# KiCad board OpenWaterHub.kicad_pcb
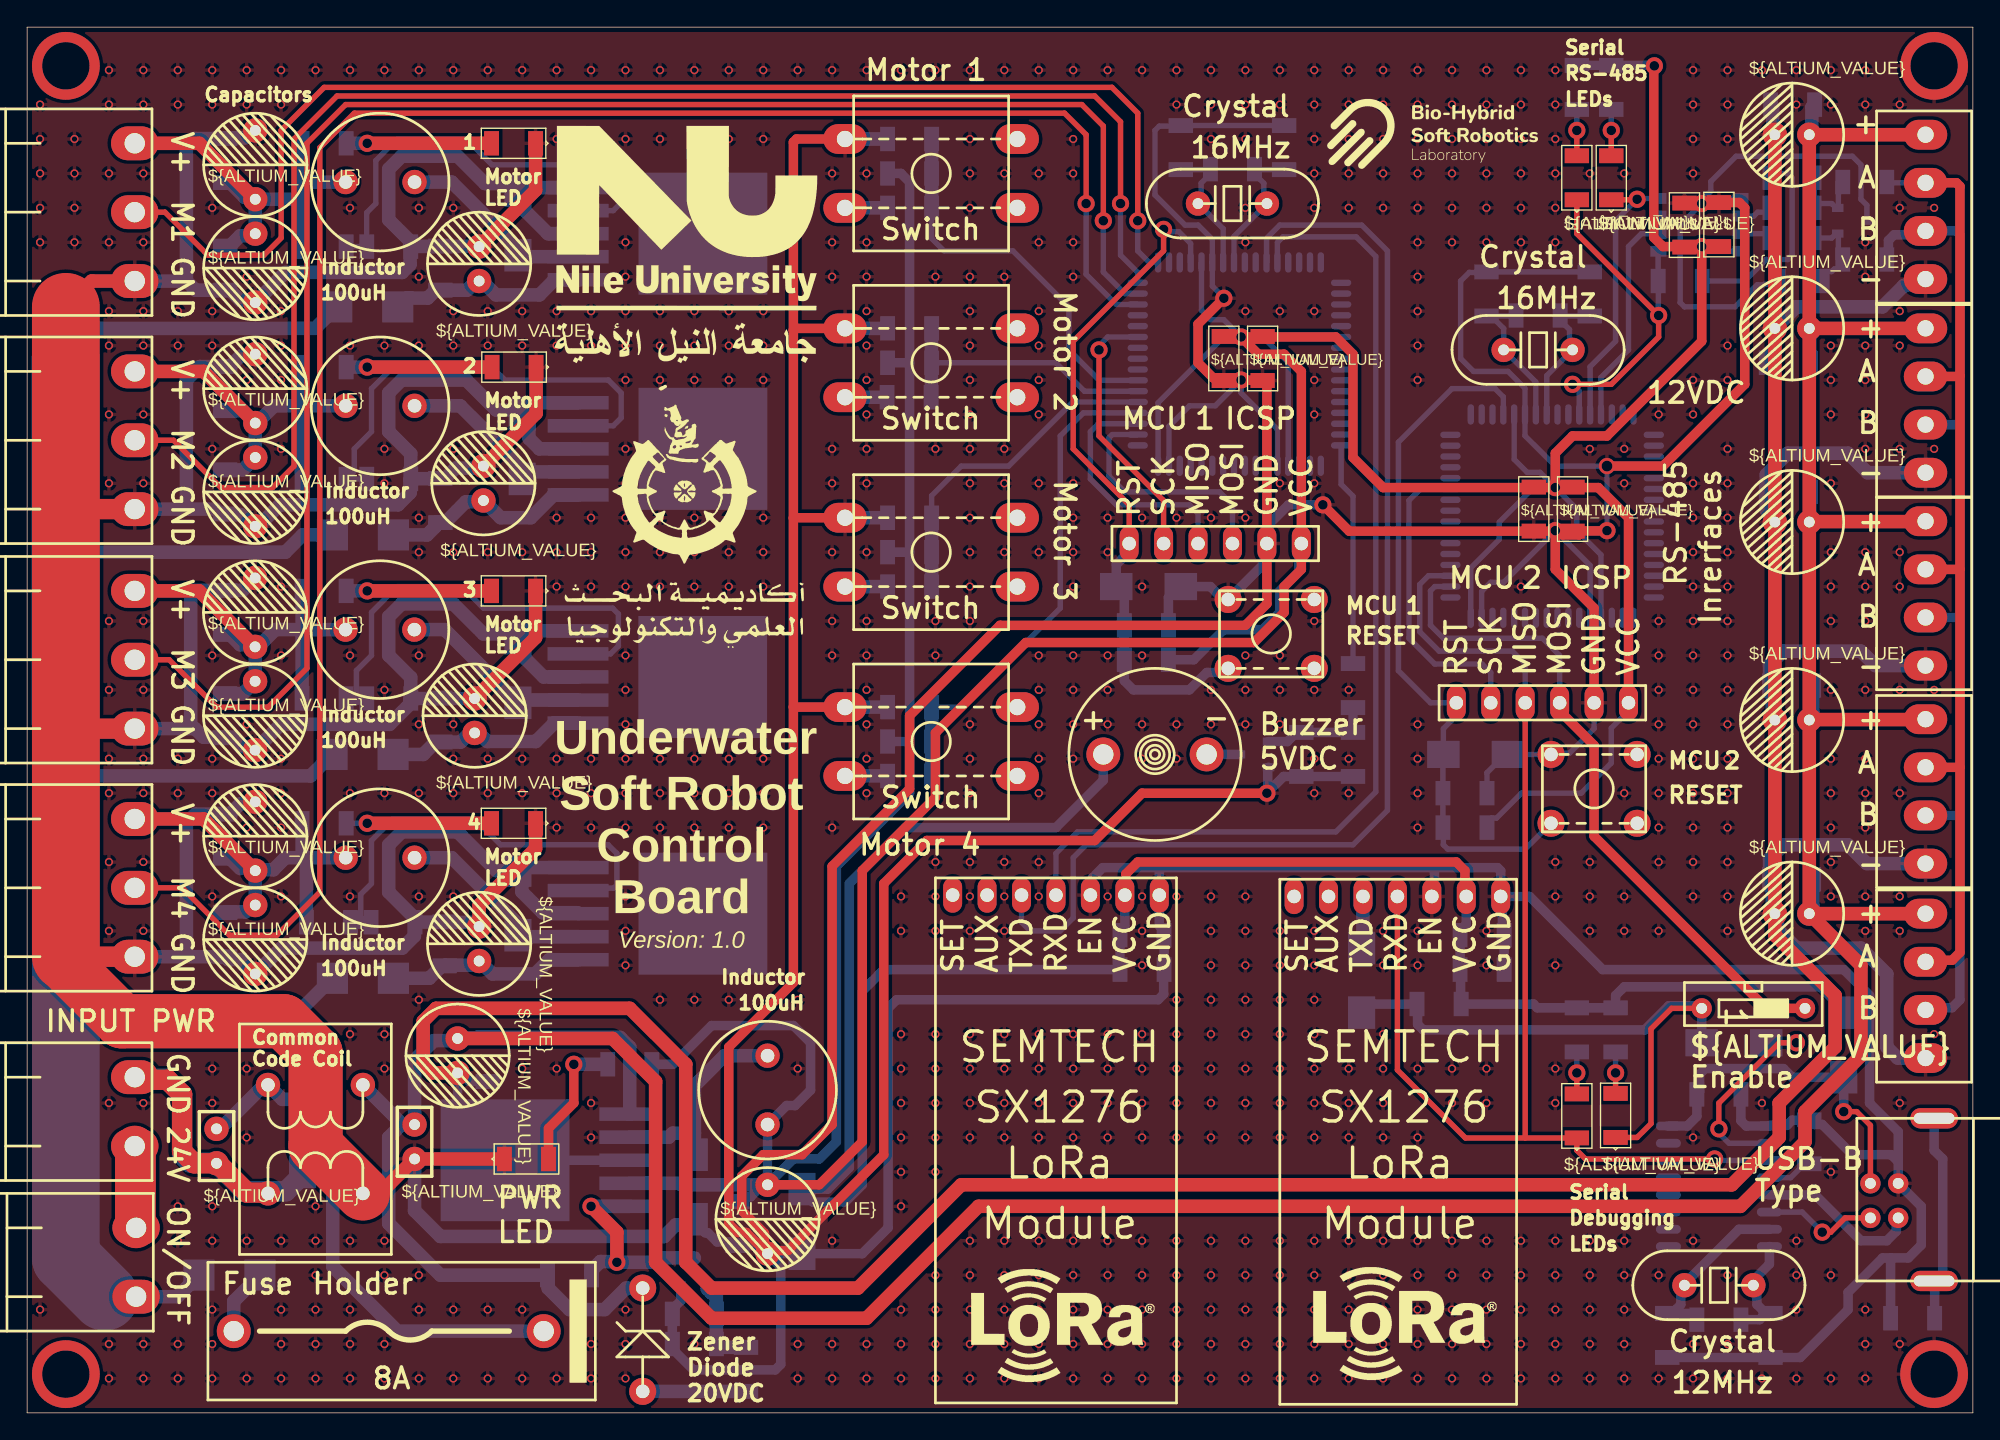
[diagram p0: board, top side]
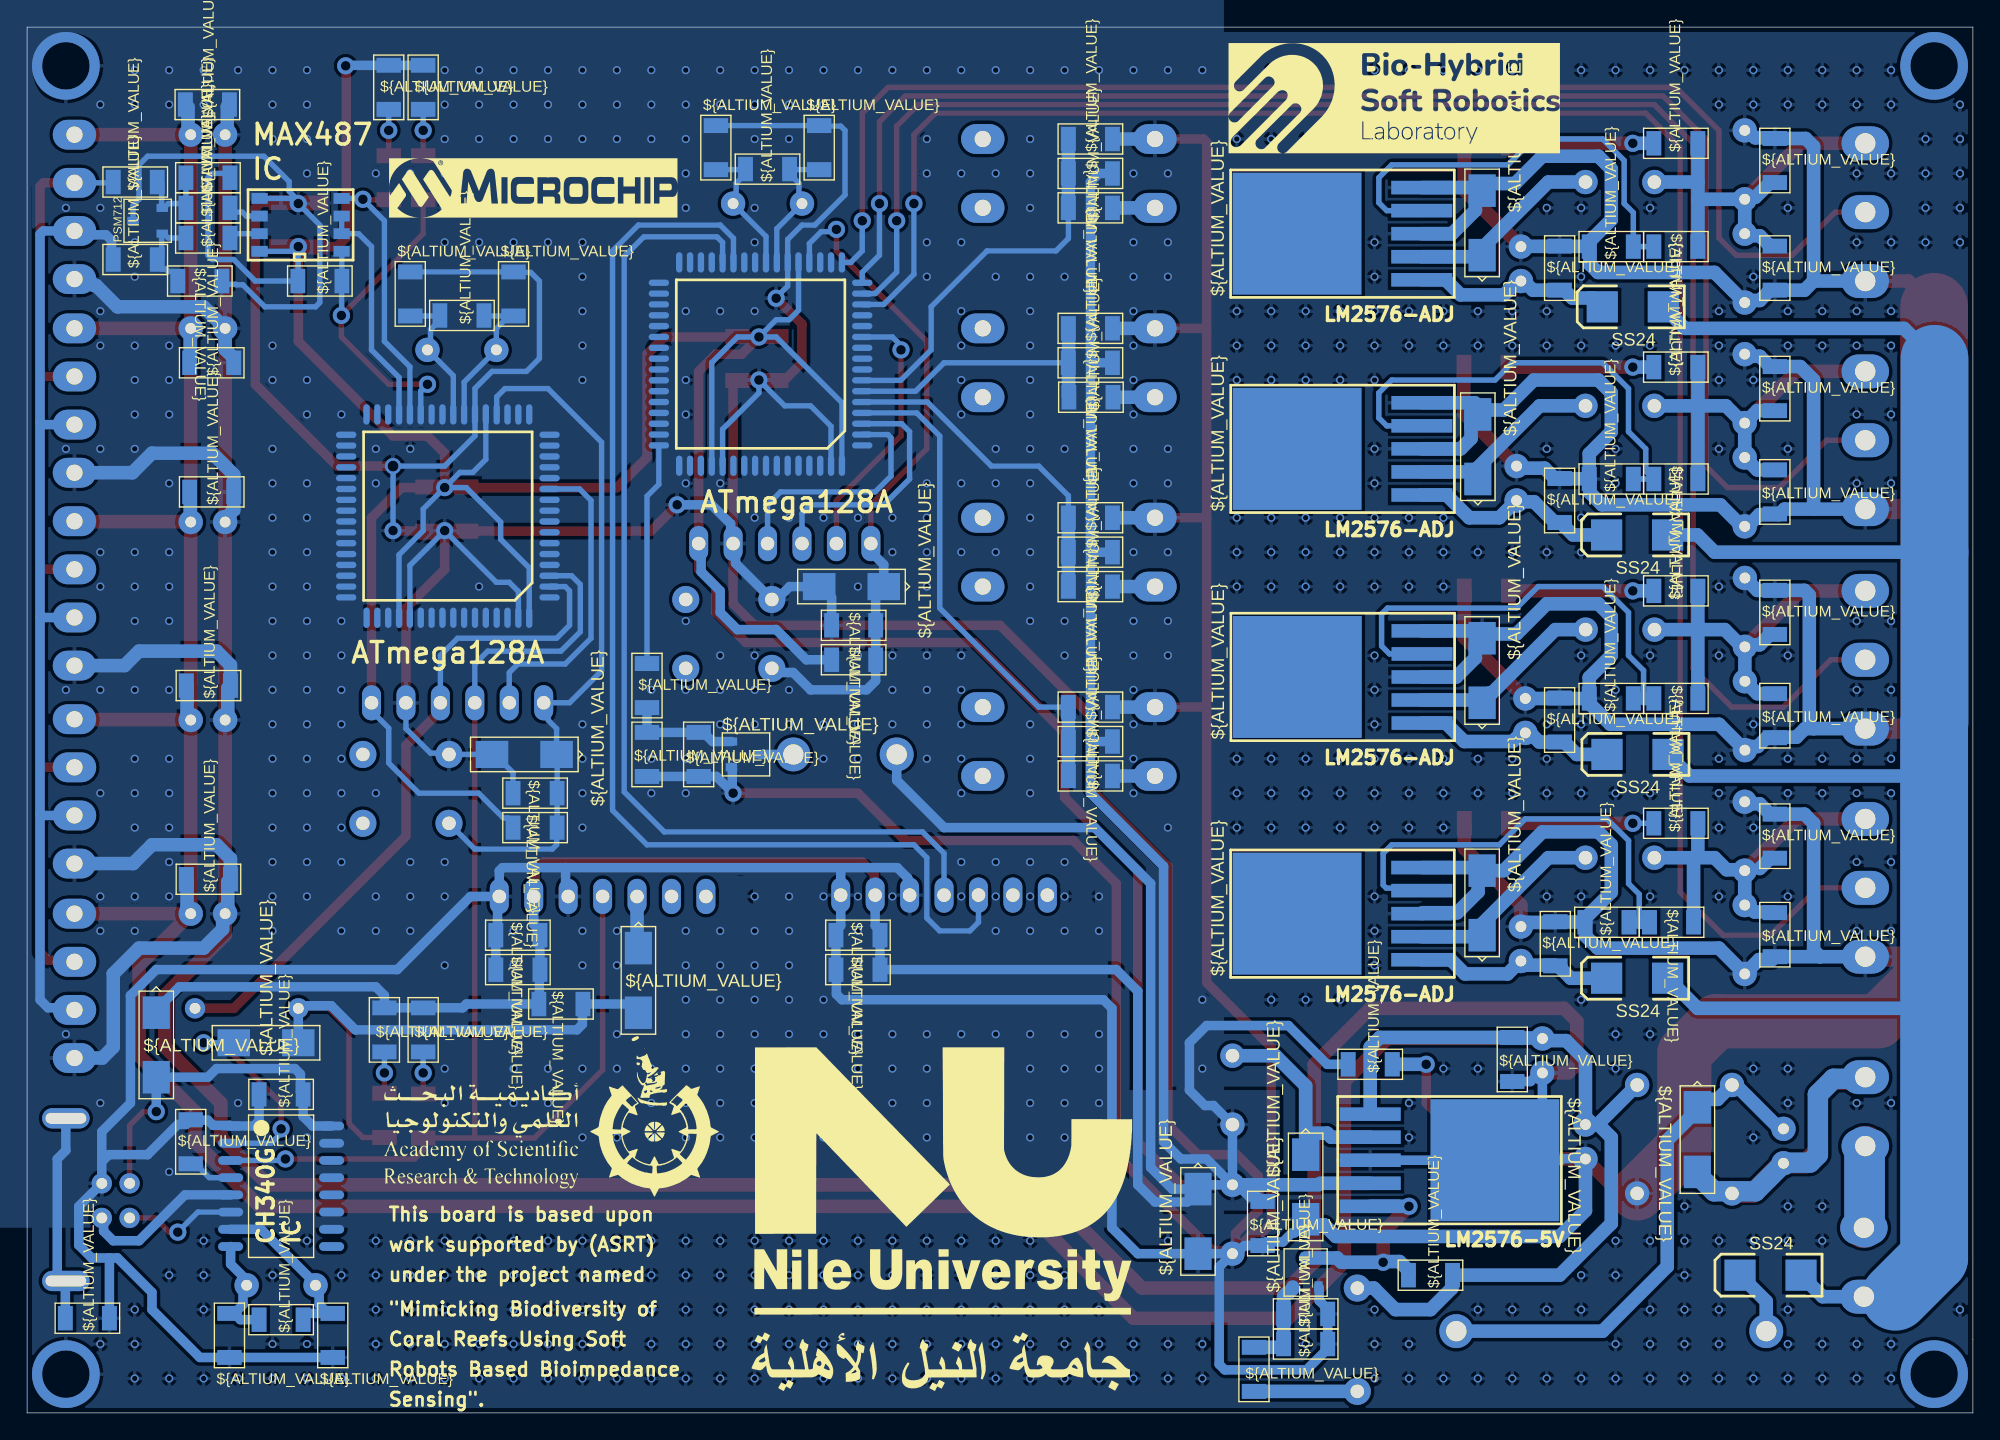
[diagram p1: board, bottom side, seen from below]

Outline 143.51 x 102.24 mm; copper layers: Top Layer, Bottom Layer. Coordinates in mm from the lower left corner of the outline.
Outline path: 0,102.24 143.51,102.24 143.51,0 0,0 0,102.24

## Placement (name value [footprint] x y rotation side)
C1  CAP POL  [CAP-P-1W]  131.44 80.01 180 top
C2  Cap  [C-1206]  122.24 87.63 270 top
C3  Cap  [C-1206]  124.78 87.67 270 top
C4  Cap  [C-1206]  130.14 39.37 0 bottom
C5  CAP POL  [CAP-P-1W]  33.34 33.34 90 top
C6  Cap  [C-1206]  30.8 34.61 270 bottom
C7  CAP POL  [CAP-P-1W]  31.75 27.62 270 top
C8  CAP POL  [CAP-P-2]  16.83 40.01 90 top
C9  CAP POL  [CAP-P-2]  16.83 37.47 270 top
C10  Cap  [CAP-NP-1]  28.58 18.73 90 top
C11  Cap  [C-1206]  14.61 35.28 90 bottom
C12  Cap  [C-1206]  14.61 42.55 270 bottom
C13  Cap  [CAP-NP-1]  13.97 18.42 90 top
C14  Cap  [C-1206]  33.97 26.07 90 bottom
C15  CAP POL  [CAP-P-2]  54.61 16.83 270 top
C16  Cap  [C-1206]  52.39 13.97 90 bottom
C17  CAP POL  [CAP-P-1W]  131.44 36.83 180 top
C18  Cap  [C-1206]  130.14 53.66 0 bottom
C19  Cap  [C-1206]  49.21 5.08 0 bottom
C20  CAP POL  [CAP-P-1W]  131.44 94.3 180 top
C21  Cap  [C-1206]  130.21 96.52 0 bottom
C22  CAP POL  [CAP-P-1W]  33.01 50.17 90 top
C23  Cap  [C-1206]  30.48 51.12 270 bottom
C24  CAP POL  [CAP-P-2]  16.81 56.52 90 top
C25  CAP POL  [CAP-P-2]  16.81 53.98 270 top
C26  Cap  [C-1206]  97.79 48.58 90 bottom
C27  Cap  [C-1206]  14.61 51.44 90 bottom
C28  Cap  [C-1206]  14.61 59.06 270 bottom
C29  CAP POL  [CAP-P-1W]  131.44 51.12 180 top
C30  Cap  [C-1206]  129.89 67.95 0 bottom
C31  CAP POL  [CAP-P-1W]  131.44 65.72 180 top
C32  Cap  [C-1206]  129.89 77.47 0 bottom
C33  CAP POL  [CAP-P-1W]  33.66 67.31 90 top
C34  Cap  [C-1206]  65.09 80.01 0 bottom
C35  Cap  [C-1206]  65.09 52.07 0 bottom
C36  Cap  [C-1206]  30.48 67.31 270 bottom
C37  CAP POL  [CAP-P-2]  16.83 73.03 90 top
C38  CAP POL  [CAP-P-2]  16.83 70.49 270 top
C39  Cap  [C-1206]  14.61 67.95 90 bottom
C40  Cap  [C-1206]  14.61 75.57 270 bottom
C41  Cap  [C-1206]  82.23 35.24 180 bottom
C42  Cap  [C-1206]  82.23 32.7 180 bottom
C43  Cap  [C-1206]  65.09 66.04 0 bottom
C44  Cap  [C-1206]  65.09 93.98 0 bottom
C45  Cap  [C-1206]  106.05 45.72 180 bottom
C46  Cap  [C-1206]  113.98 66.68 90 top
C47  Cap  [C-1206]  111.13 66.68 90 top
C48  Cap  [C-1206]  107.63 82.55 270 bottom
C49  Cap  [C-1206]  115.25 82.55 270 bottom
C50  Cap  [C-1206]  82.55 58.1 180 bottom
C51  CAP POL  [CAP-P-1W]  33.34 83.5 90 top
C52  Cap  [C-1206]  88.27 77.79 90 top
C53  Cap  [C-1206]  91.12 77.79 90 top
C54  Cap  [C-1206]  30.48 84.46 270 bottom
C55  CAP POL  [CAP-P-2]  16.83 87 270 top
C56  CAP POL  [CAP-P-2]  16.83 89.54 90 top
C57  Cap  [C-1206]  14.61 84.46 90 bottom
C58  Cap  [C-1206]  14.61 92.39 270 bottom
C59  Cap  [C-1206]  85.09 93.35 270 bottom
C60  Cap  [C-1206]  92.71 93.35 270 bottom
C61  Cap  [C-1206]  107.32 35.24 180 bottom
C62  Cap  [C-1206]  107.32 32.7 180 bottom
C63  Cap  [C-1206]  124.78 23.5 180 bottom
C64  Cap  [C-1206]  131.44 20 270 bottom
C65  Cap  [C-1206]  120.97 5.72 90 bottom
C66  Cap  [C-1206]  128.59 5.72 90 bottom
C67  Cap  [C-1206]  139.06 6.99 0 bottom
D1  PWR  [L-1206]  35.88 43.5 0 top
D2  Diode  [SMB]  24.77 32.07 0 bottom
D3  TX  [L-1206]  116.84 91.12 270 top
D4  RX  [L-1206]  114.3 91.12 270 top
D5  Diode  [SMB]  14.92 10.16 0 bottom
D6  PWR  [L-1206]  36.83 18.73 180 top
D7  Zener Diode  [SMA]  20.32 17.78 90 bottom
D8  Diode  [SMA]  36.2 40.01 270 bottom
D9  Diode  [SMA]  49.21 14.29 90 bottom
D10  Zener Diode  [SMA]  57.15 11.75 90 bottom
D11  Zener Diode  [ZDiode-3]  45.4 1.59 90 top
D12  PSM712  [SOT23]  134.62 87.95 0 bottom
D13  PWR  [L-1206]  35.88 60.64 0 top
D14  Diode  [SMB]  24.74 48.58 0 bottom
D15  Diode  [SMA]  36.2 57.15 270 bottom
D16  PWR  [L-1206]  35.91 77.15 0 top
D17  Diode  [SMB]  24.77 64.77 0 bottom
D18  Diode  [SMA]  36.51 73.66 270 bottom
D19  Diode  [SMA]  98.42 29.53 90 bottom
D20  Zener Diode  [SMA]  109.22 48.58 180 bottom
D21  PWR  [L-1206]  35.88 93.66 0 top
D22  Diode  [SMB]  25.08 81.6 0 bottom
D23  Zener Diode  [SMA]  85.09 60.96 180 bottom
D24  Diode  [SMA]  36.2 90.17 270 bottom
D25  RX  [L-1206]  114.3 21.91 270 top
D26  TX  [L-1206]  117.16 21.94 270 top
D27  Diode  [SMA]  133.99 24.77 90 bottom
D28  Diode  [SMA]  123.51 27.31 0 bottom
F1  Fuse  [FUSE]  15.24 6.03 0 top
H1  H_1X6  [Header-01X06]  118.11 52.39 180 top
H2  H_1X6  [Header-01X06]  93.98 64.14 180 top
H3  LORA  [Header-01X07]  108.68 38.1 180 top
H4  LORA  [Header-01X07]  83.5 38.2 180 top
J1  DWIN  [STD-04-3.55MM]  140.02 26.18 90 top
J2  ON/OFF  [PLG-02-B]  8.04 8.57 90 top
J3  MOTOR1  [PLG-03-B]  7.94 33.66 90 top
J4  PWR 24V  [PLG-02-B]  7.94 19.69 90 top
J5  S1  [STD-04-3.55MM]  140.02 40.53 90 top
J6  S2  [STD-04-3.55MM]  140.02 55.13 90 top
J7  MOTOR2  [PLG-03-B]  7.94 50.48 90 top
J8  S3  [STD-04-3.55MM]  140.02 83.65 90 top
J9  S4  [STD-04-3.55MM]  140.02 69.36 90 top
J10  MOTOR3  [PLG-03-B]  7.94 66.68 90 top
J11  MOTOR4  [PLG-03-B]  7.94 83.5 90 top
J12  USB type B  [USB-TYPE-B]  135.95 16.93 0 top
L1  Inductor  [L_9X12]  28.58 40.96 180 top
L2  Inductor  [L_9X12]  54.61 26.35 270 top
L3  Inductor  [L_9X12]  28.56 57.79 180 top
L4  Inductor  [L_9X12]  28.58 74.3 180 top
L5  Inductor  [L_9X12]  28.58 90.81 180 top
LS1  -  [Buzzer]  79.38 48.58 0 top
M1  Atmega128-SMD  [Quad64]  104.98 60.16 0 bottom
M2  Atmega128-SMD  [Quad64]  81.92 71.38 0 bottom
M3  CH340  [SOIC-16]  124.78 16.72 180 bottom
Q1  NPN  [SOT23]  49.21 10.36 90 bottom
Q2  NPN  [SOT23]  90.49 48.58 180 bottom
R1  Resistor  [R-1206]  116.84 97.79 270 bottom
R2  Resistor  [R-1206]  114.3 97.79 270 bottom
R3  Resistor  [R-1206]  21.91 43.5 0 bottom
R4  Resistor  [R-1206]  121.92 83.5 0 bottom
R5  Resistor  [R-1206]  22.23 36.2 180 bottom
R6  Resistor  [R-1206]  130.77 83.5 180 bottom
R7  Resistor  [R-1206]  40 10.16 0 bottom
R8  Resistor  [R-1206]  44.45 25.72 180 bottom
R9  Resistor  [R-1206]  26.99 36.2 180 bottom
R10  Resistor  [R-1206]  130.18 86.68 0 bottom
R11  Resistor  [R-1206]  135.54 85.09 0 bottom
R12  Resistor  [R-1206]  130.18 88.9 0 bottom
R13  Resistor  [R-1206]  135.54 90.81 0 bottom
R14  Resistor  [R-1206]  130.18 91.12 0 bottom
R15  Resistor  [R-1206]  53.02 3.21 90 bottom
R16  Resistor  [R-1206]  49.21 7.3 180 bottom
R17  Resistor  [R-1206]  21.91 60.64 0 bottom
R18  Resistor  [R-1206]  97.79 53.66 270 bottom
R19  Resistor  [R-1206]  21.91 52.71 180 bottom
R20  Resistor  [R-1206]  93.98 48.58 90 bottom
R21  Resistor  [R-1206]  26.67 52.71 180 bottom
R22  Resistor  [R-1206]  21.91 77.15 0 bottom
R23  Resistor  [R-1206]  65.09 77.47 180 bottom
R24  Resistor  [R-1206]  65.09 49.53 180 bottom
R25  Resistor  [R-1206]  65.05 74.93 0 bottom
R26  Resistor  [R-1206]  65.09 46.99 0 bottom
R27  Resistor  [R-1206]  21.91 68.9 180 bottom
R28  Resistor  [R-1206]  26.67 68.9 180 bottom
R29  Resistor  [R-1206]  104.14 30.16 180 bottom
R30  Resistor  [R-1206]  65.09 63.5 180 bottom
R31  Resistor  [R-1206]  65.09 91.44 180 bottom
R32  Resistor  [R-1206]  65.09 60.96 0 bottom
R33  Resistor  [R-1206]  106.05 43.18 180 bottom
R34  Resistor  [R-1206]  65.09 88.9 0 bottom
R35  Resistor  [R-1206]  111.44 80.96 0 bottom
R36  Resistor  [R-1206]  21.91 93.66 0 bottom
R37  Resistor  [R-1206]  82.55 55.56 180 bottom
R38  Resistor  [R-1206]  88.9 91.76 0 bottom
R39  Resistor  [R-1206]  21.91 86.04 180 bottom
R40  Resistor  [R-1206]  26.67 86.04 180 bottom
R41  Resistor  [R-1206]  114.3 28.26 270 bottom
R42  Resistor  [R-1206]  117.16 28.26 270 bottom
R43  Resistor  [R-1206]  124.78 6.88 0 bottom
SW1  SW-DIP01  [SW-DIP-01]  123.51 29.85 270 top
SW2  SET  [SW-SPST-4-B]  60.33 80.01 270 top
SW3  UP  [SW-SPST-4-B]  60.33 52.07 270 top
SW4  DOWN  [SW-SPST-4-B]  60.33 66.04 270 top
SW5  ENTER  [SW-SPST-4-B]  60.33 93.98 270 top
SW6  RESET  [SW-SPST-4]  112.39 48.58 270 top
SW7  RESET  [SW-SPST-4]  88.58 60.01 270 top
T1  CM Trans  [CM_UU9.8]  17.77 24.19 0 top
U1  MAX487  [SOIC_8]  120.31 85.69 90 bottom
VR1  LM2576-ADJ  [TO263_5]  40.65 36.83 90 bottom
VR2  LM2576-5V  [TO263_5]  44.45 18.64 270 bottom
VR3  LM2576-ADJ  [TO263_5]  40.63 54.29 90 bottom
VR4  LM2576-ADJ  [TO263_5]  40.64 71.12 90 bottom
VR5  LM2576-ADJ  [TO263_5]  40.65 87 90 bottom
Y1  -  [Crystal]  108.9 78.42 0 top
Y2  -  [Crystal]  86.36 89.22 0 top
Y3  -  [Crystal]  122.24 9.42 0 top

## Footprints (pads in the part's own frame, mm; a bottom-side part is the same pattern mirrored in y, then rotated)
Buzzer
  round 2.5 hole 1.5: 1(0,0) 2(7.62,0)
C-1206
  rect 1.1x1.8 smd: 1(-1.625,0) 2(1.625,0)
CAP-NP-1
  round 1.8 hole 0.8: 1(0,0) 2(2.54,0)
CAP-P-1W
  round 1.8 hole 0.8: 1(0,0) 2(2.54,0)
CAP-P-2
  round 1.8 hole 0.8: 1(0,0) 2(5.08,0)
CM_UU9.8
  round 1.8 hole 1: 1(0,0) 2(7,0) 3(0,-8) 4(7,-8)
Crystal
  round 1.8 hole 0.8: 1(0,0) 2(5.08,0)
FUSE
  round 2.5 hole 1.5: 1(0,0) 2(22.86,0)
Header-01X06
  oval 1.4x2.6 hole 1: 1(0,0) 2(2.54,0) 3(5.08,0) 4(7.62,0) 5(10.16,0) 6(12.7,0)
Header-01X07
  oval 1.4x2.6 hole 1: 1(0,0) 2(2.54,0) 3(5.08,0) 4(7.62,0) 5(10.16,0) 6(12.7,0) 7(15.24,0)
L-1206
  rect 1.1x1.8 smd: 1(-1.625,0) 2(1.625,0)
L_9X12
  round 1.8 hole 1: 1(0,0) 2(5.08,0)
PLG-02-B
  oval 2.5x3.5 hole 1.5: 1(0,0) 2(5.08,0)
PLG-03-B
  oval 2.5x3.5 hole 1.5: 1(0,0) 2(5.08,0) 3(10.16,0)
Quad64
  oval 1.5x0.47 smd: 1(0,0) 2(0,-0.8) 3(0,-1.6) 4(0,-2.4) 5(0,-3.2) 6(0,-4) 7(0,-4.8) 8(0,-5.6) 9(0,-6.4) 10(0,-7.2) 11(0,-8) 12(0,-8.8) 13(0,-9.6) 14(0,-10.4) 15(0,-11.2) 16(0,-12) 33(15,-12) 34(15,-11.2) 35(15,-10.4) 36(15,-9.6) 37(15,-8.8) 38(15,-8) 39(15,-7.2) 40(15,-6.4) 41(15,-5.6) 42(15,-4.8) 43(15,-4) 44(15,-3.2) 45(15,-2.4) 46(15,-1.6) 47(15,-0.8) 48(15,0)
  oval 0.47x1.5 smd: 17(1.5,-13.5) 18(2.3,-13.5) 19(3.1,-13.5) 20(3.9,-13.5) 21(4.7,-13.5) 22(5.5,-13.5) 23(6.3,-13.5) 24(7.1,-13.5) 25(7.9,-13.5) 26(8.7,-13.5) 27(9.5,-13.5) 28(10.3,-13.5) 29(11.1,-13.5) 30(11.9,-13.5) 31(12.7,-13.5) 32(13.5,-13.5) 49(13.5,1.5) 50(12.7,1.5) 51(11.9,1.5) 52(11.1,1.5) 53(10.3,1.5) 54(9.5,1.5) 55(8.7,1.5) 56(7.9,1.5) 57(7.1,1.5) 58(6.3,1.5) 59(5.5,1.5) 60(4.7,1.5) 61(3.9,1.5) 62(3.1,1.5) 63(2.3,1.5) 64(1.5,1.5)
R-1206
  rect 1.1x1.8 smd: 1(-1.625,0) 2(1.625,0)
SMA
  rect 2.4x2 smd: 1(0,0) 2(4.763,0)
SMB
  rect 2.3x2.3 smd: 1(-2.25,0) 2(2.25,0)
SOIC-16
  oval 1.85x0.65 smd: 1(-3.725,4.445) 2(-3.725,3.175) 3(-3.725,1.905) 4(-3.725,0.635) 5(-3.725,-0.635) 6(-3.725,-1.905) 7(-3.725,-3.175) 8(-3.725,-4.445) 9(3.725,-4.445) 10(3.725,-3.175) 11(3.725,-1.905) 12(3.725,-0.635) 13(3.725,0.635) 14(3.725,1.905) 15(3.725,3.175) 16(3.725,4.445)
SOIC_8
  rect 0.8x1.2 smd: 1(0,0) 2(1.3,0) 3(2.6,0) 4(3.9,0) 5(3.9,6.05) 6(2.6,6.05) 7(1.3,6.05) 8(0,6.05)
SOT23
  rect 0.85x0.6 smd: 1(1.075,0) 2(-1.075,0.95) 3(-1.075,-0.95)
STD-04-3.55MM
  oval 2.2x3.2 hole 1.2: 1(0,0) 2(3.55,0) 3(7.1,0) 4(10.65,0)
SW-DIP-01
  round 1.5 hole 0.8: 1(0,0) 2(0,7.62)
SW-SPST-4
  round 2 hole 1: 1(0,0) 2(5.08,0) 3(5.08,6.35) 4(0,6.35)
SW-SPST-4-B
  oval 2.2x3.2 hole 1.2: 1(0,0) 2(5.08,0) 3(5.08,12.7) 4(0,12.7)
TO263_5
  rect 1x4.5 smd: 1(-3.4,0) 2(-1.7,0) 3(0,0) 4(1.7,0) 5(3.4,0)
  rect 9x9.5 smd: 6(0,9.2)
USB-TYPE-B
  round 1.5 hole 0.8: 1(0,0) 2(0,-2.55) 3(2.05,-2.55) 4(2.05,0)
  oval 3.5x1.5 hole 3x0.8: S1(4.7,4.8) S2(4.7,-7.2)
ZDiode-3
  round 2 hole 1: 1(0,0) 2(7.62,0)

## Nets
GND: C1.2 C2.1 C3.1 C4.1 C5.2 C6.1 C7.2 C8.2 C9.2 C10.1 C11.1 C12.1 C14.1 C15.2 C16.1 C17.2 C18.1 C19.1 C20.2 C21.1 C22.2 C23.1 C24.2 C25.2 C26.1 C27.1 C28.1 C29.2 C30.1 C31.2 C32.1 C33.2 C34.1 C35.1 C36.1 C37.2 C38.2 C39.1 C40.1 C41.1 C42.1 C43.1 C44.1 C45.1 C46.1 C47.1 C48.1 C49.1 C50.1 C51.2 C52.1 C53.1 C54.1 C55.2 C56.2 C57.1 C58.1 C59.1 C60.1 C61.1 C62.1 C63.1 C64.1 C65.1 C66.1 C67.1 D1.2 D6.2 D8.1 D9.1 D10.1 D12.1 D13.2 D15.1 D16.2 D18.1 D20.1 D21.2 D23.1 D24.1 H1.2 H2.2 H3.1 H3.3 H4.1 H4.3 J1.1 J3.1 J5.1 J6.1 J7.1 J8.1 J9.1 J10.1 J11.1 J12.4 M1.22 M1.53 M1.63 M2.22 M2.53 M2.63 M3.1 Q1.3 Q2.3 R6.2 R9.1 R16.2 R20.1 R21.1 R28.1 R40.1 SW2.1 SW3.1 SW4.1 SW5.1 SW6.1 SW7.1 T1.4 U1.5 VR1.3 VR1.5 VR2.3 VR3.3 VR3.5 VR4.3 VR4.5 VR5.3 VR5.5
VCC: C2.2 C3.2 C15.1 C16.2 C41.2 C42.2 C46.2 C47.2 C52.2 C53.2 C61.2 C62.2 D10.2 D27.2 H1.1 H2.1 H3.2 H4.2 L2.2 LS1.1 M1.21 M1.52 M1.64 M2.21 M2.52 M2.64 R1.1 R2.1 R4.2 R8.1 R14.1 R23.2 R24.2 R29.1 R30.2 R31.2 R33.1 R37.1 R41.1 R42.1 U1.8 VR2.4
VIN: C1.1 C4.2 C7.1 C10.2 C14.2 C17.1 C18.2 C20.1 C21.2 C29.1 C30.2 C31.1 C32.2 D11.2 J1.4 J5.4 J6.4 J8.4 J9.4 R7.1 T1.2 VR2.1
A: J1.3 J5.3 J6.3 J8.3 J9.3 R13.2
B: J1.2 J5.2 J6.2 J8.2 J9.2 R11.2
NetC5_1: C5.1 C6.2 D2.2 VR1.1
NetC8_1: C8.1 C9.1 C11.2 C12.2 J3.3 L1.2 R3.1 R5.2
NetC13_1: C13.1 D7.1 J4.2 T1.3
NetC13_2: C13.2 D7.2 F1.2 T1.1
NetC19_2: C19.2 Q1.2 R15.2 R16.1
NetC22_1: C22.1 C23.2 D14.2 VR3.1
NetC24_1: C24.1 C25.1 C27.2 C28.2 J7.3 L3.2 R17.1 R19.2
NetC26_2: C26.2 Q2.2 R18.2 R20.2
NetC33_1: C33.1 C36.2 D17.2 VR4.1
NetC37_1: C37.1 C38.1 C39.2 C40.2 J10.3 L4.2 R22.1 R27.2
NetC48_2: C48.2 M1.23 R35.1 Y1.1
NetC49_2: C49.2 M1.24 R35.2 Y1.2
NetC51_1: C51.1 C54.2 D22.2 VR5.1
NetC55_1: C55.1 C56.1 C57.2 C58.2 J11.3 L5.2 R36.1 R39.2
NetC59_2: C59.2 M2.23 R38.1 Y2.1
NetC60_2: C60.2 M2.24 R38.2 Y2.2
NetC64_2: C64.2 M3.4
NetC65_2: C65.2 M3.7 R43.1 Y3.1
NetC66_2: C66.2 M3.8 R43.2 Y3.2
NetC67_2: C67.2 J12.S1 J12.S2
NetD1_1: D1.1 R3.2
NetD3_1: D3.1 R1.2
NetD4_1: D4.1 R2.2
NetD5_2: D5.2 F1.1
NetD6_1: D6.1 R8.2
NetD8_2: D8.2 L1.1 VR1.2
NetD9_2: D9.2 L2.1 VR2.2
NetD11_1: D11.1 R15.1
NetD12_2: D12.2 R6.1 R10.2 R11.1
NetD12_3: D12.3 R12.2 R13.1 R14.2
NetD13_1: D13.1 R17.2
NetD15_2: D15.2 L3.1 VR3.2
NetD16_1: D16.1 R22.2
NetD18_2: D18.2 L4.1 VR4.2
NetD19_2: D19.2 H3.5
NetD21_1: D21.1 R36.2
NetD24_2: D24.2 L5.1 VR5.2
NetD25_1: D25.1 R41.2
NetD26_1: D26.1 R42.2
NetD28_2: D28.2 M3.2
NetH1_3: H1.3 M1.2 SW1.2
NetJ2_2: J2.2 J4.1
NetLS1_2: LS1.2 Q2.1
NetQ1_1: Q1.1 R7.2 VR2.5
NetR5_1: R5.1 R9.2 VR1.4
NetR10_1: R10.1 U1.7
NetR12_1: R12.1 U1.6
NetR19_1: R19.1 R21.2 VR3.4
NetR25_1: R25.1 SW2.2
NetR26_1: R26.1 SW3.2
NetR27_1: R27.1 R28.2 VR4.4
NetR32_1: R32.1 SW4.2
NetR34_1: R34.1 SW5.2
NetR39_1: R39.1 R40.2 VR5.4
PA3: M2.48 R18.1
PB1: H2.5 M2.11
PB1': H1.5 M1.11
PB4: J3.2 M2.14
PB5: J7.2 M2.15
PB6: J10.2 M2.16
PB7: J11.2 M2.17
PD2: H4.5 M2.27
PD2': D4.2 M1.27 R4.1 U1.1
PD3: H4.4 M2.28
PD3': D3.2 M1.28 U1.4
PD4': M1.29 U1.2 U1.3
PE0: H2.3 M2.2
PE0': D19.1 D26.2 D28.1 R29.2 SW1.1
PE1: H2.4 M2.3
PE1': D25.2 H1.4 H3.4 M1.3 M3.3
PE2: C35.2 M2.4 R24.1 R26.2
PE3: C43.2 M2.5 R30.1 R32.2
PE4: C34.2 M2.6 R23.1 R25.2
PE5: C44.2 M2.7 R31.1 R34.2
RESET: C50.2 D23.2 H2.6 M2.20 R37.2 SW7.2
RESET': C45.2 D20.2 H1.6 M1.20 R33.2 SW6.2
USB_D_N: J12.2 M3.6
USB_D_P: J12.3 M3.5
VBB: D2.1 D5.1 D14.1 D17.1 D22.1 J2.1
VU: C63.2 D27.1 J12.1 M3.16

Pads without a net: H3 6 7; H4 6 7; M1 1 4 5 6 7 8 9 10 12 13 14 15 16 17 18 19 25 26 30 31 32 33 34 35 36 37 38 39 40 41 42 43 44 45 46 47 48 49 50 51 54 55 56 57 58 59 60 61 62; M2 1 8 9 10 12 13 18 19 25 26 29 30 31 32 33 34 35 36 37 38 39 40 41 42 43 44 45 46 47 49 50 51 54 55 56 57 58 59 60 61 62; M3 9 10 11 12 13 14 15; SW2 3 4; SW3 3 4; SW4 3 4; SW5 3 4; SW6 3 4; SW7 3 4; VR1 6; VR2 6; VR3 6; VR4 6; VR5 6

## Via types
v1: diameter 5, hole 3.5, Top Layer to Bottom Layer, 4 vias
v2: diameter 0.6, hole 0.4, Top Layer to Bottom Layer, 819 vias
v3: diameter 1.2, hole 0.8, Top Layer to Bottom Layer, 1 via
v4: diameter 1.27, hole 0.711, Top Layer to Bottom Layer, 36 vias

## Routing (per net, layer and track width the routed paths; a pad name or vN(x,y) marks a point on that pad's centre or on a via; arc(x,y) is an arc through that point)
GND: length 1519.4
  Top Layer w0.7: H2.2 91.44,59.69 89.85,58.1 71.76,58.1 65.09,51.44 65.09,46.04 59.37,40.32 59.37,21.27 57.15,19.05 54.29,19.05 52.7,17.46 52.7,14.92 54.38,13.25 54.38,11.98 ; v4(116.52,65.09) 116.5,65.07 114.66,65.07 114.46,64.86 114.46,64.77 113.27,64.77 112.95,65.09 v4(112.71,65.09) ; 91.44,65.09 91.44,75.85 C53.1 91.1,76.18 89.55,76.18 v4(89.54,76.2) ; v4(123.51,89.22) 123.54,89.25 124.74,89.25 C3.1 126.29,89.29 126.68,88.9 126.68,75.88 120.65,69.85 v3(116.52,69.85) ; 54.38,11.98 C15.2 54.84,11.98 56.11,11.98 63.18,19.05 63.18,39.05 66.36,42.23 78.74,42.23 82.23,45.72 v4(91.44,45.72) ; 54.38,11.98 53.05,13.31 52.41,13.31 51.75,13.97 51.75,26.99 56.52,31.75 56.52,52.07 ; 56.52,79.89 56.52,93.75 56.75,93.98 SW5.1 ; 56.52,79.89 56.52,66.04 ; 56.52,79.89 56.63,80.01 SW2.1 ; v4(95.57,66.99) 97.51,65.05 112.71,65.05 112.71,62.23 115.57,59.37 H1.2 ; 56.52,52.07 56.52,66.04 ; 56.52,52.07 SW3.1 ; 56.52,66.04 SW4.1 ; C52.1 88.07,76.36 87.47,76.36 86.36,77.47 86.36,80.33 v4(88.27,82.23)
  Top Layer w1: C20.2 C1.2 C31.2 C29.2 C17.2 128.91,35.24 133.35,30.8 133.35,26.99 129.22,22.86 129.22,20.32 125.73,16.83 68.9,16.83 61.28,9.21 50.48,9.21 48.58,11.11 48.58,25.72 44.45,29.85 30.16,29.85 29.21,28.89 29.21,25.72 29.84,25.08 C7.2 ; 2.86,31.43 2.86,33.66 ; C33.2 37.54,73.73 D16.2 ; C22.2 37.5,57.2 D13.2 ; D21.2 37.5,90.21 C51.2 ; J11.1 4.76,83.5 2.86,81.6 ; C5.2 33.34,37.47 37.5,41.63 D1.2 ; D6.2 C10.1 26.27,16.42 25,16.42 T1.4
  Top Layer w1.5: 2.86,66.68 J10.1 ; 2.86,33.66 J3.1 ; 2.86,50.48 J7.1
  Top Layer w4: T1.4 21.27,19.69 21.27,26.55 18.93,28.89 6.98,28.89 2.86,33.02
  Top Layer w5: 2.86,81.6 2.86,33.66
  Bottom Layer w0.4: C49.1 C48.1 107.6,84.14 106.36,84.14 105.73,83.5 105.73,77.79 106.68,76.84 109.22,76.84 110.48,75.58 M1.22 110.48,72.09 112.71,69.85 v3(116.52,69.85) v4(116.52,65.09) ; 112.57,64.94 108.9,61.28 107.95,61.28 107.28,60.61 M1.63 ; v4(112.71,65.09) 115.28,62.52 M1.53 ; M2.63 84.22,72.79 85.73,74.3 87.63,74.3 v4(89.54,76.2) 89.54,75.25 92.22,72.57 M2.53 ; H1.2 115.57,50.48 113.76,48.67 112.49,48.67 SW6.1 D20.1 109.02,48.58 107.67,47.23 C45.1 ; v4(123.51,89.22) 121.92,87.63 121.92,81.92 122.24,81.6 125.97,81.6 127.6,83.22 128.08,83.22 128.12,83.26 128.79,83.26 ; v4(123.51,89.22) 123.51,89.45 124.18,90.13 124.18,90.85 126.05,92.71 134.62,92.71 135.25,92.08 135.25,89.54 135.69,89.1 D12.1 ; v4(123.51,89.22) 123.88,89.59 U1.5 ; C60.1 C59.1 85.05,94.93 83.5,94.93 83.18,94.62 83.18,89.85 85.41,87.63 86.36,87.63 87.42,86.57 M2.22 87.42,83.13 88.27,82.28 v4(88.27,82.23) ; 129.15,83.5 R6.2
  Bottom Layer w0.7: 48.48,13.87 48.89,14.29 ; 138,18.53 137.48,19.05 134.62,19.05 132.39,21.28 131.8,21.28 C64.1 131.41,21.59 130.18,21.59 129.8,21.21 128.55,21.21 M3.1 126.79,21.16 126.4,21.55 C63.1 ; 138,18.53 J12.4 139.7,15.24 139.7,12.38 138.75,11.43 137.48,11.43 ; 138,18.53 138,20.75 135.89,22.86 135.89,30.8 133.99,32.7 116.2,32.7 110.81,38.1 H3.1 ; 28.6,18.76 30.28,18.76 30.4,18.64 31.75,18.64 ; Q2.3 91.5,47.57 91.5,45.78 ; 103.8,40.22 108.45,40.22 108.68,39.99 H3.1 ; 103.8,40.22 83.5,40.22 ; 103.8,40.22 103.8,38.29 H3.3 ; 31.75,18.64 C7.2 32,25.08 32.63,24.45 C14.1 ; 31.75,18.64 VR2.3 ; v4(91.44,45.72) 91.5,45.78 ; 91.5,45.78 92.67,46.95 R20.1 C26.1 ; C15.2 D10.1 61.6,11.75 63.5,13.65 63.5,29.85 64.14,30.48 83.41,30.48 83.82,30.89 83.82,32.67 C42.1 C41.1 83.86,35.59 83.5,35.95 H4.1 83.5,40.22 ; C15.2 54.33,11.75 53.73,12.35 C16.1 52.12,12.61 50.89,12.61 50.21,13.29 50.01,13.29 49.21,14.09 D9.1 48.89,14.6 ; C15.2 55.59,10.77 55.59,3.59 55.18,3.18 49.14,3.18 47.59,4.73 C19.1 R16.2 47.59,7.65 48.21,8.28 48.21,9.23 Q1.3 ; H3.1 108.81,37.97 108.81,35.37 C61.1 C62.1 ; v4(95.57,66.99) 93.03,66.99 91.62,65.59 91.62,64.32 H2.2 91.26,63.95 91.26,62.68 SW7.1 88.22,60.01 87.27,60.96 D23.1 84.97,60.96 84.17,60.16 C50.1 ; 137.48,11.43 137.44,11.39 C67.1 ; 137.48,11.43 136.84,11.43 134.3,8.89 134.3,7.62 130.77,4.09 C66.1 C65.1 ; H4.3 78.56,38.33 78.56,39.45 79.33,40.22 83.5,40.22
  Bottom Layer w1: D24.1 36.42,90.39 VR5.5 ; D24.1 36.2,90.2 35.7,90.7 33.76,90.7 31.75,92.71 27.62,92.71 26.67,91.76 26.67,88.02 28.24,86.44 28.24,84.72 27.66,84.14 19.05,84.14 C55.2 16.67,82.07 15.72,82.07 14.95,82.83 C57.1 12.42,82.83 11.75,83.5 ; D24.1 36.7,89.67 36.7,88.72 38.42,87 VR5.3 ; J9.1 135.75,69.36 134.3,70.8 129.86,70.8 128.27,69.22 C30.1 128.27,66.6 128.91,65.97 C31.2 ; VR1.3 40.58,36.9 38.03,36.9 36.49,38.44 36.49,39.71 D8.1 ; C29.2 128.71,51.31 128.71,53.46 C18.1 128.51,55.17 129.54,56.2 135.25,56.2 136.32,55.13 J6.1 ; 28.31,86.06 33.32,86.06 C51.2 ; C32.1 128.27,77.82 128.91,78.46 C1.2 130.49,81.6 136.84,81.6 138.4,83.16 138.54,83.16 139.03,83.65 J8.1 ; C5.2 33.12,35.88 32.82,36.18 30.85,36.18 C6.1 30.78,36.21 28.63,36.21 R9.1 ; SW5.1 C44.1 ; 11.75,66.68 11.75,76.2 12.74,77.19 C40.1 14.95,77.19 15.72,77.95 16.67,77.95 C37.2 ; 11.75,66.68 J10.1 ; 11.75,66.68 13.9,66.68 14.31,66.27 15.75,66.27 16.61,65.41 C38.2 17.04,65.41 18.63,66.99 27.35,66.99 28.24,67.88 28.24,68.85 R28.1 ; 11.27,33.66 11.75,34.13 11.75,43.5 12.42,44.17 C12.1 14.95,44.17 15.72,44.93 16.67,44.93 C8.2 ; 11.27,33.66 J3.1 ; 11.27,33.66 C11.1 14.82,33.44 15.77,33.44 C9.2 18.73,34.29 27.67,34.29 28.56,35.18 28.56,36.15 R9.1 ; C21.1 128.75,96.36 128.75,94.46 C20.2 ; D8.1 34.61,40.01 31.75,42.86 27.62,42.86 26.67,41.91 26.67,38.42 28.49,36.6 28.56,36.6 28.61,36.55 R9.1 ; D8.1 36.42,40.23 VR1.5 ; J5.1 135.69,40.53 134.3,41.91 129.54,41.91 128.51,40.88 C4.1 128.71,39.17 128.71,37.03 129.09,36.65 129.09,35.69 130.49,34.29 135.25,34.29 137.16,32.39 137.16,26.99 137.97,26.18 J1.1 ; J7.1 11.75,50.48 ; 11.75,50.48 12.06,50.8 12.06,60.33 12.42,60.68 C28.1 15.9,60.68 C24.2 ; 11.75,50.48 12.38,50.48 13.02,49.85 14.83,49.85 14.91,49.77 15.26,49.77 15.87,49.16 16.55,49.16 C25.2 18.72,50.8 26.74,50.8 28.24,52.31 28.24,52.66 R21.1 ; R28.1 28.31,68.92 30.46,68.92 C36.1 30.83,68.93 31.59,69.7 33.5,69.7 C33.2 ; R28.1 28.29,70.77 26.67,72.39 26.67,75.25 27.62,76.2 32.39,76.2 34.6,73.99 36.19,73.99 D18.1 ; SW4.1 C43.1 ; VR3.5 36.42,57.69 36.2,57.47 33.66,57.47 31.43,59.69 27.62,59.69 26.67,58.74 26.67,55.88 28.29,54.26 R21.1 ; R21.1 C22.2 ; VR4.3 37.78,71.12 37.01,71.89 37.01,73.8 36.51,74.3 36.74,74.52 VR4.5 ; VR3.3 38.1,54.29 36.7,55.7 36.7,56.65 D15.1 ; 11.75,83.5 J11.1 ; 11.75,83.5 11.75,93.43 12.33,94.02 C58.1 14.66,94.07 16.06,94.07 16.61,94.62 C56.2 ; C10.1 28.58,14.92 30.48,13.02 46.99,13.02 47.85,13.87 48.48,13.87 ; SW3.1 C35.1 ; SW2.1 C34.1